# KiCad board FrontEnd_5G.kicad_pcb (continued)
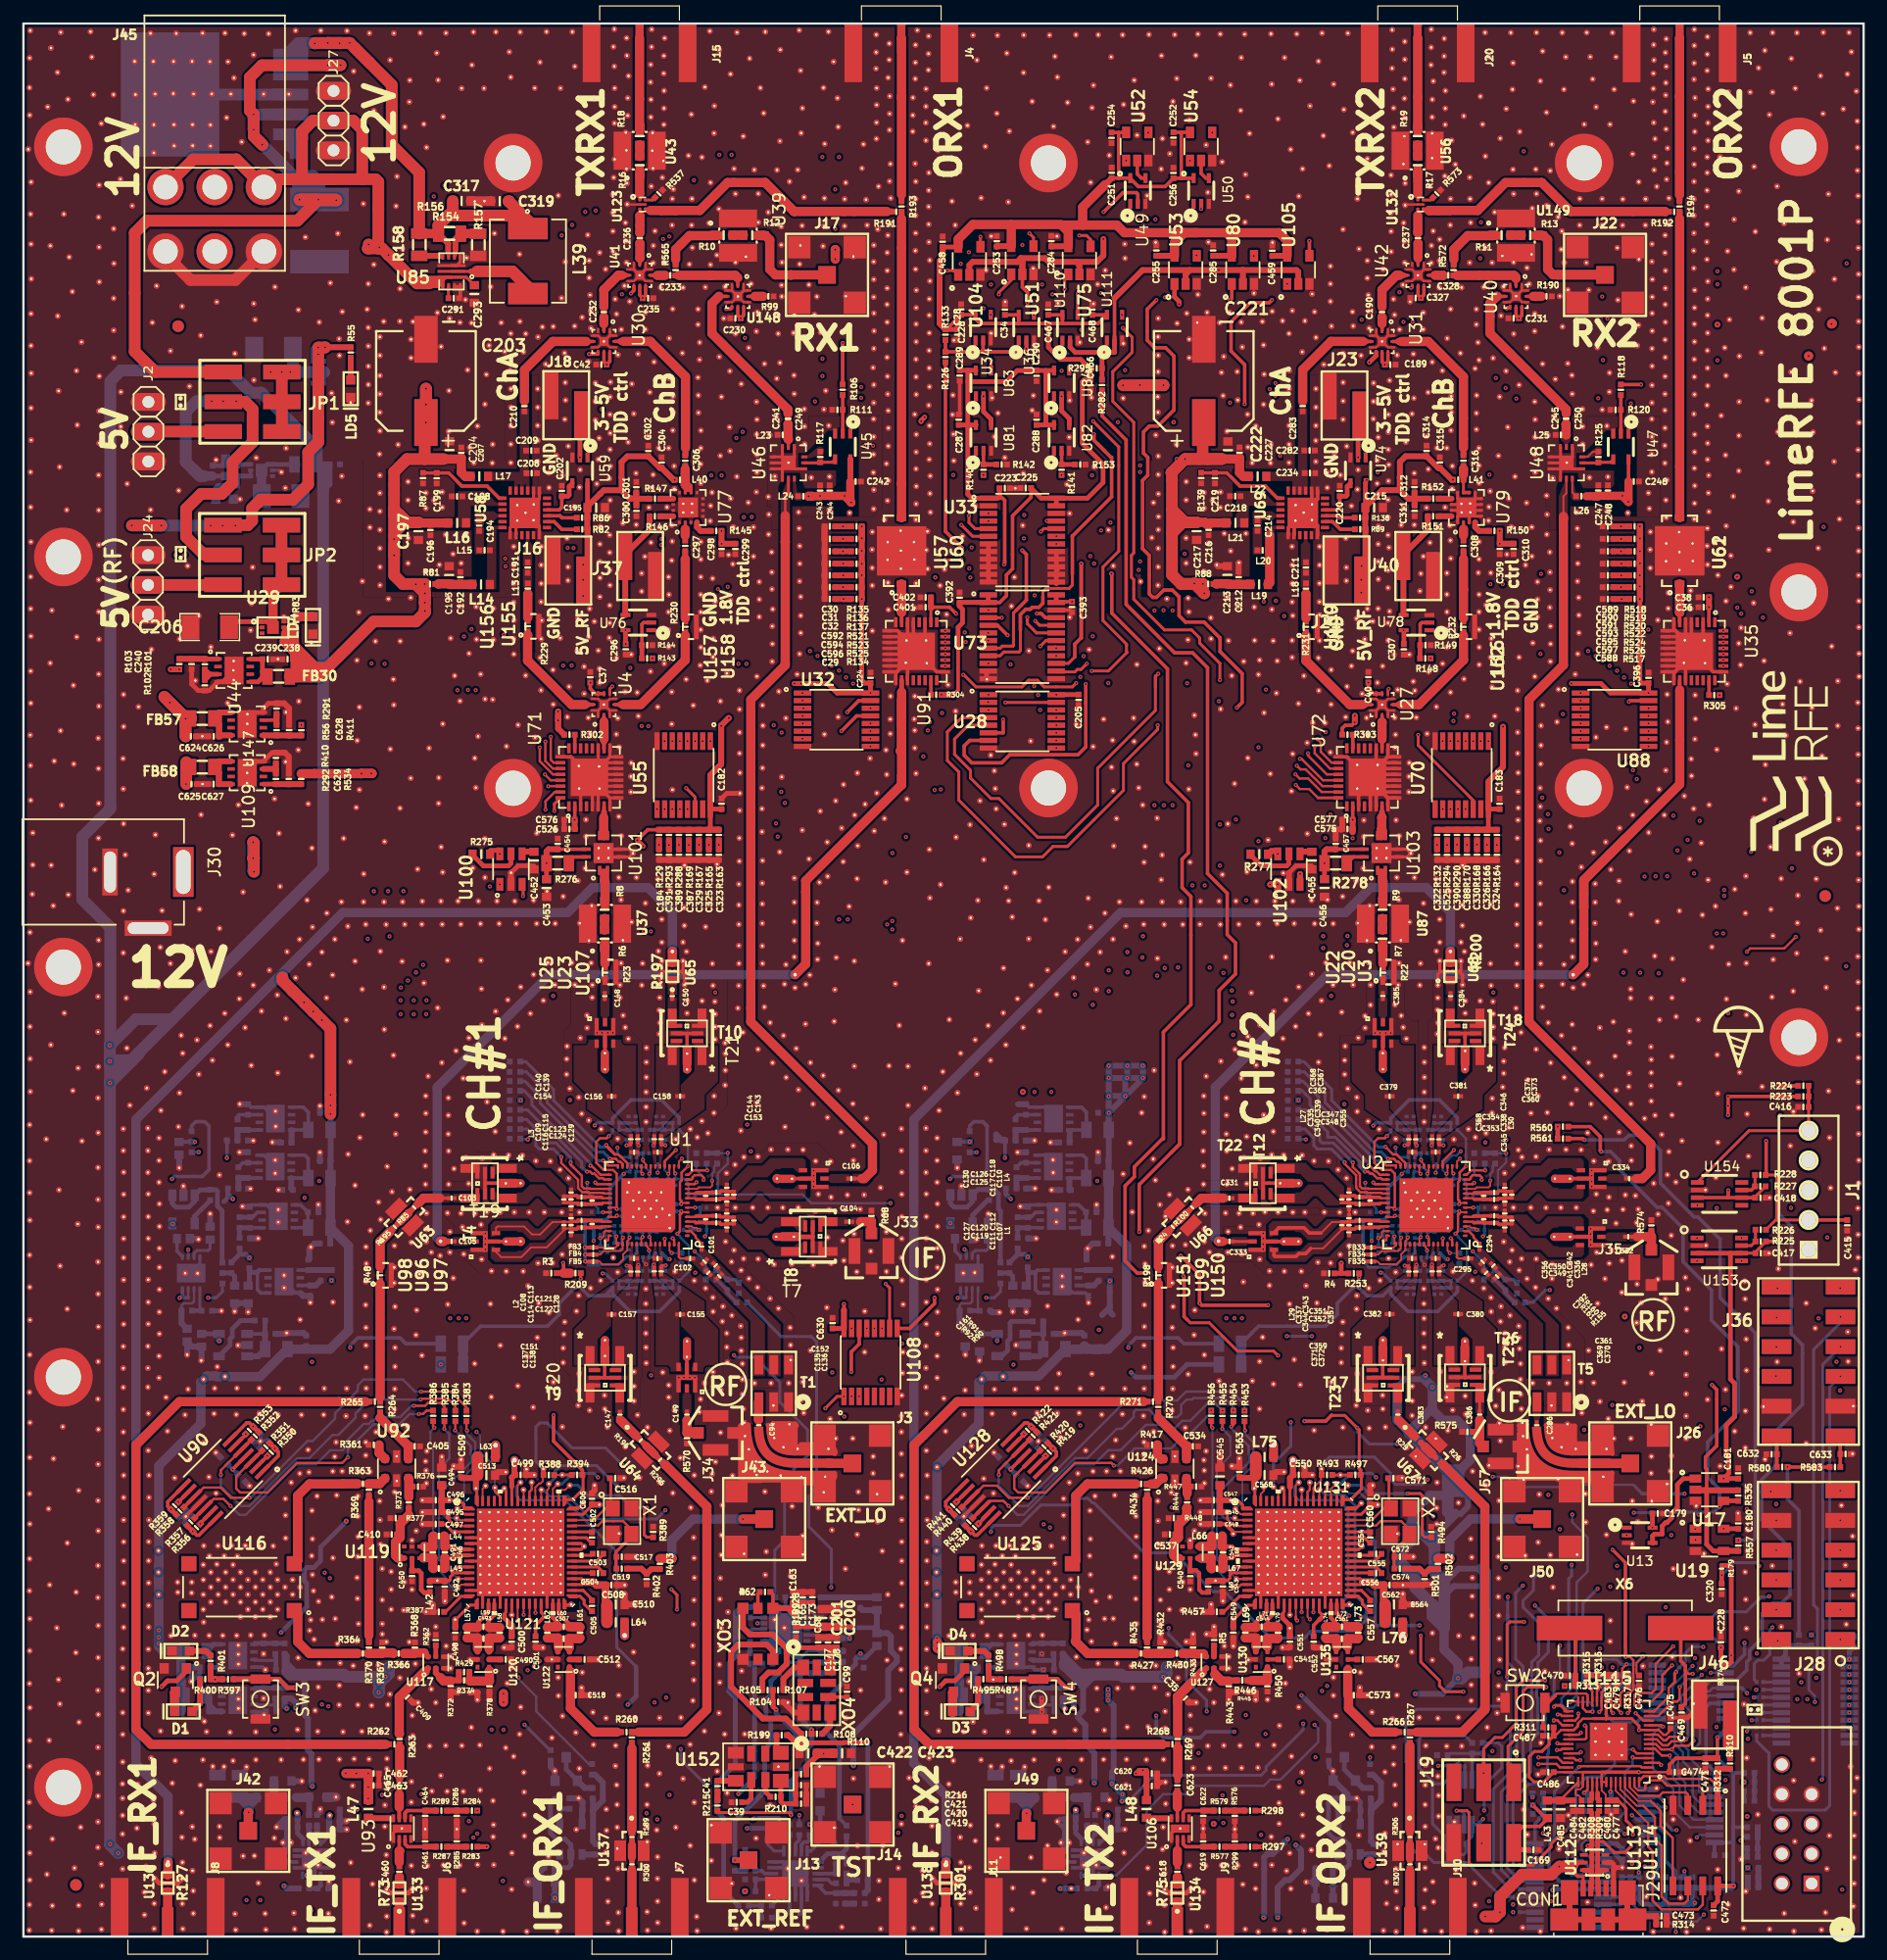
[diagram p0: board, top side]
## Nets (continued)
VBUS_USB: C71.1 CON1.1 FB16.1 J29.1 J29.2 U112.5
VDD_TXA_#1: C15.1 R94.2 U1.6
VDD_TXA_#2: C269.1 R183.2 U2.6
VDD_TXB_#1: C17.1 R95.2 U1.8
VDD_TXB_#2: C271.1 R184.2 U2.8
VDD_TXC_#1: C24.1 R96.2 U1.36
VDD_TXC_#2: C278.1 R185.2 U2.36
VDD_TXD_#1: C26.1 R97.2 U1.38
VDD_TXD_#2: C280.1 R186.2 U2.38
/Clocks/CLK_TST_#1: C170.2 R119.2
/Clocks/EX1_#1: C101.1 C161.1 R91.1
/Clocks/EX1_#2: C292.1 C294.1 R160.1
/Clocks/EX2_#1: C102.1 C161.2 R92.1
/Clocks/EX2_#2: C292.2 C295.1 R161.1
/Clocks/EX3_#1: R90.1 R91.2 T1.5
/Clocks/EX3_#2: R155.1 R160.2 T5.5
/Clocks/EX4_#1: R90.2 R92.2 T1.4
/Clocks/EX4_#2: R155.2 R161.2 T5.4
/Clocks/EX5_#1: C94.2 T1.3
/Clocks/EX5_#2: C286.2 T5.3
/Clocks/EXT_LO_CON_#1: C94.1 J3.1
/Clocks/EXT_LO_CON_#2: C286.1 J26.1
/Clocks/EXTLO_N_#1: C102.2 U1.56
/Clocks/EXTLO_N_#2: C295.2 U2.56
/Clocks/EXTLO_P_#1: C101.2 U1.2
/Clocks/EXTLO_P_#2: C294.2 U2.2
/Clocks/HFPLL_CLK_#1: C172.1 R122.1
/Clocks/HFPLL_CLK_#2: C313.1 R554.1
/Clocks/HFPLL_CLK_LMS8_#1: C171.2 U1.53
/Clocks/HFPLL_CLK_LMS8_#2: C303.2 U2.53
/Clocks/J14_SMA_vert_#1: C170.1 J14.1 R123.1
/Clocks/REF_ADF_#1: C89.1 R121.1
/Clocks/SMA_IN1_#1: C84.1 J13.1 R80.2
/Clocks/V_CTRL_#1: C69.1 R63.2 R104.2 R105.1 R107.1 R199.2
/Clocks/VCXO_OUT_#1: C100.2 R80.1 R108.2 R110.2 R215.2
/Clocks/VCXO_PWR_FILTER_#1: C160.1 C200.1 C201.1 C422.1 C423.1 FB29.2 R109.2 R115.2 R116.2 R128.1 R216.2
/DATA1: U12.9 U108.14
/DATA2: U28.14 U108.9
/DATAX: U70.9
/LMS8001_RF/BP_AMP1_3V3: R283.2 U108.15
/LMS8001_RF/BP_AMP2_3V3: R297.2 U108.2
/LMS8001_RF/IN_A1_#1: C104.2 T7.1 T8.4
/LMS8001_RF/IN_A1_#2: C332.2 T16.2
/LMS8001_RF/IN_A2_#1: C107.1 C111.2 C119.1 L1.2 T7.4 T8.1
/LMS8001_RF/IN_A2_#2: C336.1 C341.2 C349.1 L28.2 T16.4
/LMS8001_RF/IN_A3_#1: C107.2 C112.1 C120.1 L1.1 T7.3 T8.3
/LMS8001_RF/IN_A3_#2: C336.2 C342.1 C350.1 L28.1 T16.6
/LMS8001_RF/IN_B1_#1: C106.2 T3.2
/LMS8001_RF/IN_B1_#2: C334.2 T14.2
/LMS8001_RF/IN_B2_#1: C110.1 C117.2 C125.1 L4.2 T3.4
/LMS8001_RF/IN_B2_#2: C338.1 C345.2 C353.1 L30.2 T14.4
/LMS8001_RF/IN_B3_#1: C110.2 C118.1 C126.1 L4.1 T3.6
/LMS8001_RF/IN_B3_#2: C338.2 C346.1 C354.1 L30.1 T14.6
/LMS8001_RF/IN_C1_#1: C103.2 T4.4 T19.1
/LMS8001_RF/IN_C1_#2: C331.2 T12.4 T22.1
/LMS8001_RF/IN_C2_#1: C109.1 C115.2 C123.1 L3.2 T4.1 T19.4
/LMS8001_RF/IN_C2_#2: C335.1 C339.2 C347.1 L27.2 T12.1 T22.4
/LMS8001_RF/IN_C3_#1: C109.2 C116.1 C124.1 L3.1 T4.3 T19.3
/LMS8001_RF/IN_C3_#2: C335.2 C340.1 C348.1 L27.1 T12.3 T22.3
/LMS8001_RF/IN_D1_#1: C105.2 T2.2
/LMS8001_RF/IN_D1_#2: C333.2 T13.2
/LMS8001_RF/IN_D2_#1: C108.1 C113.2 C121.1 L2.2 T2.4
/LMS8001_RF/IN_D2_#2: C337.1 C343.2 C351.1 L29.2 T13.4
/LMS8001_RF/IN_D3_#1: C108.2 C114.1 C122.1 L2.1 T2.6
/LMS8001_RF/IN_D3_#2: C337.2 C344.1 C352.1 L29.1 T13.6
/LMS8001_RF/OUT_A1_#1: C149.1 T11.2
/LMS8001_RF/OUT_A1_#2: C386.1 T25.1 T26.4
/LMS8001_RF/OUT_A2_#1: C135.2 C155.1 T11.4
/LMS8001_RF/OUT_A2_#2: C369.2 C380.1 T25.4 T26.1
/LMS8001_RF/OUT_A3_#1: C136.2 C155.2 T11.6
/LMS8001_RF/OUT_A3_#2: C370.2 C380.2 T25.3 T26.3
/LMS8001_RF/OUT_A4_#1: C135.1 C152.1 L7.2 U1.51
/LMS8001_RF/OUT_A4_#2: C361.1 C369.1 L31.2 U2.51
/LMS8001_RF/OUT_A5_#1: C136.1 C152.2 L11.2 U1.52
/LMS8001_RF/OUT_A5_#2: C361.2 C370.1 L35.2 U2.52
/LMS8001_RF/OUT_B1_#1: C150.1 T10.4 T21.1
/LMS8001_RF/OUT_B1_#2: C384.1 T18.4 T24.1
/LMS8001_RF/OUT_B2_#1: C143.2 C158.1 T10.1 T21.4
/LMS8001_RF/OUT_B2_#2: C373.2 C381.1 T18.1 T24.4
/LMS8001_RF/OUT_B3_#1: C144.2 C158.2 T10.3 T21.3
/LMS8001_RF/OUT_B3_#2: C374.2 C381.2 T18.3 T24.3
/LMS8001_RF/OUT_B4_#1: C143.1 C153.1 L5.2 U1.19
/LMS8001_RF/OUT_B4_#2: C360.1 C373.1 L32.2 U2.19
/LMS8001_RF/OUT_B5_#1: C144.1 C153.2 L9.2 U1.20
/LMS8001_RF/OUT_B5_#2: C360.2 C374.1 L36.2 U2.20
/LMS8001_RF/OUT_C1_#1: C148.1 T6.2
/LMS8001_RF/OUT_C1_#2: C385.1 T15.2
/LMS8001_RF/OUT_C2_#1: C139.2 C156.1 T6.4
/LMS8001_RF/OUT_C2_#2: C367.2 C379.1 T15.4
/LMS8001_RF/OUT_C3_#1: C140.2 C156.2 T6.6
/LMS8001_RF/OUT_C3_#2: C368.2 C379.2 T15.6
/LMS8001_RF/OUT_C4_#1: C139.1 C154.1 L6.2 U1.24
/LMS8001_RF/OUT_C4_#2: C362.1 C367.1 L33.2 U2.24
/LMS8001_RF/OUT_C5_#1: C140.1 C154.2 L10.2 U1.25
/LMS8001_RF/OUT_C5_#2: C362.2 C368.1 L37.2 U2.25
/LMS8001_RF/OUT_D1_#1: C147.1 T9.4 T20.1
/LMS8001_RF/OUT_D1_#2: C383.1 T17.4 T23.1
/LMS8001_RF/OUT_D2_#1: C137.2 C157.1 T9.1 T20.4
/LMS8001_RF/OUT_D2_#2: C371.2 C382.1 T17.1 T23.4
/LMS8001_RF/OUT_D3_#1: C138.2 C157.2 T9.3 T20.3
/LMS8001_RF/OUT_D3_#2: C372.2 C382.2 T17.3 T23.3
/LMS8001_RF/OUT_D4_#1: C137.1 C151.1 L8.2 U1.46
/LMS8001_RF/OUT_D4_#2: C359.1 C371.1 L34.2 U2.46
/LMS8001_RF/OUT_D5_#1: C138.1 C151.2 L12.2 U1.47
/LMS8001_RF/OUT_D5_#2: C359.2 C372.1 L38.2 U2.47
/LMS8001_RF/SD_AMP1_3V3: R284.2 U108.1
/LMS8001_RF/SD_AMP2_3V3: R298.2 U108.3
/LMS8001_RF/sheet6298A0DD/RF_IN: C618.2 R75.1 U134.3
/LMS8001_RF/sheet6298A0DD/RF_OUT: C623.1 R268.1 R269.2
/LMS8001_RF/sheet62981941/RF_IN: C460.2 R73.1 U133.3
/LMS8001_RF/sheet62981941/RF_OUT: C465.1 R262.1 R263.2
/LMS98001_GPIO/CORE_LDO_EN_#1: R3.2 R209.1 U1.55
/LMS98001_GPIO/CORE_LDO_EN_#2: R4.2 R253.1 U2.55
/LMS98001_GPIO/GPIO0_#1: R250.1
/LMS98001_GPIO/GPIO0_#2: R281.1
/LMS98001_GPIO/GPIO1_#1: R249.1
/LMS98001_GPIO/GPIO1_#2: R280.1
/LMS98001_GPIO/GPIO2_#1: R248.1
/LMS98001_GPIO/GPIO2_#2: R279.1
/LMS98001_GPIO/GPIO3_#1: R247.1
/LMS98001_GPIO/GPIO3_#2: R274.1
/LMS98001_GPIO/GPIO4_#1: R245.1
/LMS98001_GPIO/GPIO4_#2: R273.1
/LMS98001_GPIO/GPIO5_#1: R244.1
/LMS98001_GPIO/GPIO5_#2: R272.1
/LMS98001_GPIO/GPIO6_#1: R214.1
/LMS98001_GPIO/GPIO6_#2: R258.1
/LMS98001_GPIO/GPIO7_#1: R213.1
/LMS98001_GPIO/GPIO7_#2: R257.1
/LMS98001_GPIO/GPIO8_#1: R212.1
/LMS98001_GPIO/GPIO8_#2: R256.1
/LMS98001_GPIO/LMS_GPIO0_#1: R250.2 U1.26
/LMS98001_GPIO/LMS_GPIO0_#2: R281.2 U2.26
/LMS98001_GPIO/LMS_GPIO1_#1: R249.2 U1.27
/LMS98001_GPIO/LMS_GPIO1_#2: R280.2 U2.27
/LMS98001_GPIO/LMS_GPIO2_#1: R248.2 U1.29
/LMS98001_GPIO/LMS_GPIO2_#2: R279.2 U2.29
/LMS98001_GPIO/LMS_GPIO3_#1: R247.2 U1.28
/LMS98001_GPIO/LMS_GPIO3_#2: R274.2 U2.28
/LMS98001_GPIO/LMS_GPIO4_#1: R245.2 U1.31
/LMS98001_GPIO/LMS_GPIO4_#2: R273.2 U2.31
/LMS98001_GPIO/LMS_GPIO5_#1: R244.2 U1.30
/LMS98001_GPIO/LMS_GPIO5_#2: R272.2 U2.30
/LMS98001_GPIO/LMS_GPIO6_#1: R214.2 U1.32
/LMS98001_GPIO/LMS_GPIO6_#2: R258.2 U2.32
/LMS98001_GPIO/LMS_GPIO7_#1: R213.2 U1.33
/LMS98001_GPIO/LMS_GPIO7_#2: R257.2 U2.33
/LMS98001_GPIO/LMS_GPIO8_#1: R212.2 U1.15
/LMS98001_GPIO/LMS_GPIO8_#2: R256.2 U2.15
/RF/DA1_A/RF_in: L13.2 R229.1 U155.2 U156.2
/RF/DA1_A/RF_out: C210.2 U30.5
/RF/DA1_A/z5: C194.2 L15.2
/RF/DA1_A\da1_b_CTRL_3V3: R140.1 U32.15
/RF/DA1_A_EN_3V3: U28.15 U51.1
/RF/DA1_A_ON\off_3V3: U51.4 U73.5
/RF/DA1_A_ON\off_5V: J18.2 U59.2 U73.19
/RF/DA1_A_SEL: U4.7 U83.4
/RF/DA1_A_SELn: U30.7 U81.4 U83.2
/RF/DA1_ATT_D0_3V3: C323.2 R163.1 U55.1 U71.32
/RF/DA1_ATT_D1_3V3: C325.2 R165.1 U55.2 U71.31
/RF/DA1_ATT_D2_3V3: C329.2 R167.1 U55.3 U71.30
/RF/DA1_ATT_D3_3V3: C387.2 R169.1 U55.4 U71.29
/RF/DA1_ATT_D4_3V3: C389.2 R288.1 U55.5 U71.28
/RF/DA1_ATT_D5_3V3: C391.2 R293.1 U55.6 U71.27
/RF/DA1_ATT_D6_3V3: C184.2 R129.1 U55.7 U71.26
/RF/DA1_B/RF_IN: C297.2 R230.2 U157.2 U158.2
/RF/DA1_B/RF_OUT: C306.1 U30.11
/RF/DA1_B_EN_3V3: U28.1 U75.1
/RF/DA1_B_ON\off_3V3: U73.6 U75.4
/RF/DA1_B_ON\off_5V: R143.2 U73.18
/RF/DA1_CPL_OUT: R191.2 U123.4
/RF/DA2_A/RF_in: L18.2 R231.1 U159.2 U160.2
/RF/DA2_A/RF_out: C283.2 U31.5
/RF/DA2_A/z5: C214.2 L20.2
/RF/DA2_A\da2_b_CTRL_3V3: R141.1 U88.15
/RF/DA2_A_EN_3V3: U28.2 U53.1
/RF/DA2_A_ON\off_3V3: U53.4 U73.7
/RF/DA2_A_ON\off_5V: J23.2 U73.17 U74.2
/RF/DA2_A_SEL: U27.7 U84.4
/RF/DA2_A_SELn: U31.7 U82.4 U84.2
/RF/DA2_ATT_D0_3V3: C324.2 R164.1 U70.1 U72.32
/RF/DA2_ATT_D1_3V3: C326.2 R166.1 U70.2 U72.31
/RF/DA2_ATT_D2_3V3: C330.2 R168.1 U70.3 U72.30
/RF/DA2_ATT_D3_3V3: C388.2 R170.1 U70.4 U72.29
/RF/DA2_ATT_D4_3V3: C390.2 R290.1 U70.5 U72.28
/RF/DA2_ATT_D5_3V3: C525.2 R294.1 U70.6 U72.27
/RF/DA2_ATT_D6_3V3: C322.2 R132.1 U70.7 U72.26
/RF/DA2_B/RF_IN: C308.2 R232.2 U161.2 U162.2
/RF/DA2_B/RF_OUT: C316.1 U31.11
/RF/DA2_B_EN_3V3: U28.3 U80.1
/RF/DA2_B_ON\off_3V3: U73.8 U80.4
/RF/DA2_B_ON\off_5V: R148.2 U73.16
/RF/DA2_CPL_OUT: R192.2 U132.4
/RF/LNA1/RF_in: C241.1 C249.2 U39.5
/RF/LNA1_EN_3V3: U28.4 U52.1
/RF/LNA1_ON\off_3V3: U52.4 U73.9
/RF/LNA1_ON\off_5V: R106.1 U73.15
/RF/LNA2/RF_in: C245.1 C250.2 U40.5
/RF/LNA2_EN_3V3: U28.5 U54.1
/RF/LNA2_ON\off_3V3: U54.4 U73.10
/RF/LNA2_ON\off_5V: R118.1 U73.14
/RF/ORX1_ATT_D0_3V3: C30.2 R135.1 U32.1 U91.32
/RF/ORX1_ATT_D1_3V3: C31.2 R136.1 U32.2 U91.31
/RF/ORX1_ATT_D2_3V3: C32.2 R137.1 U32.3 U91.30
/RF/ORX1_ATT_D3_3V3: C592.2 R521.1 U32.4 U91.29
/RF/ORX1_ATT_D4_3V3: C594.2 R523.1 U32.5 U91.28
/RF/ORX1_ATT_D5_3V3: C596.2 R525.1 U32.6 U91.27
/RF/ORX1_ATT_D6_3V3: C29.2 R134.1 U32.7 U91.26
/RF/ORX2_ATT_D0_3V3: C589.2 R518.1 U35.32 U88.1
/RF/ORX2_ATT_D1_3V3: C590.2 R519.1 U35.31 U88.2
/RF/ORX2_ATT_D2_3V3: C591.2 R520.1 U35.30 U88.3
/RF/ORX2_ATT_D3_3V3: C593.2 R522.1 U35.29 U88.4
/RF/ORX2_ATT_D4_3V3: C595.2 R524.1 U35.28 U88.5
/RF/ORX2_ATT_D5_3V3: C597.2 R526.1 U35.27 U88.6
/RF/ORX2_ATT_D6_3V3: C588.2 R517.1 U35.26 U88.7
/RF/PDA1/RF_IN: R8.1 U37.3 U101.1 U101.2
/RF/PDA1/RF_OUT: U71.7 U101.5 U101.6
/RF/PDA1_EN_3V3: U28.6 U104.1
/RF/PDA1_ON\off_3V3: U73.3 U104.4
/RF/PDA1_ON\off_5V: U73.21 U100.3
/RF/PDA2/RF_IN: R9.1 U87.3 U103.1 U103.2
/RF/PDA2/RF_OUT: U72.7 U103.5 U103.6
/RF/PDA2_EN_3V3: U28.7 U105.1
/RF/PDA2_ON\off_3V3: U73.4 U105.4
/RF/PDA2_ON\off_5V: U73.20 U102.3
/RF/RX_ISOL_1_1V8: U33.3 U39.7
/RF/RX_ISOL_1_3V3: U33.21 U36.4
/RF/RX_ISOL_2_1V8: U33.5 U40.7
/RF/RX_ISOL_2_3V3: U33.19 U111.4
/RF/TX\rx_1: R126.1 R133.1 U34.2 U36.2 U49.2 U51.2 U75.2 U104.2
/RF/TX\rx_2: R282.1 R295.1 U50.2 U53.2 U80.2 U105.2 U110.2 U111.2
/RF/tx_RX_1_1V8: U33.4 U41.7
/RF/tx_RX_1_3V3: U33.20 U34.4
/RF/tx_RX_2_1V8: U33.6 U42.7
/RF/tx_RX_2_3V3: U33.18 U110.4
/RP2040_MCU/DATA: U11.14 U115.11
/RP2040_MCU/MCU_GPIO0: U24.6 U115.2
/RP2040_MCU/MCU_GPIO1: U24.7 U115.3
/RP2040_MCU/MCU_GPIO2: U24.5 U115.4
/RP2040_MCU/MCU_GPIO3: U115.5 U163.2
/RP2040_MCU/MCU_GPIO9: U115.12 U154.4
/RP2040_MCU/MCU_GPIO10: U115.13 U153.4
/RP2040_MCU/MCU_GPIO11: U115.14 U153.5
/RP2040_MCU/MCU_GPIO13: U38.3 U115.16
/RP2040_MCU/MCU_GPIO13_EXT: J36.1 R586.2
/RP2040_MCU/MCU_GPIO18: R177.1 U115.29
/RP2040_MCU/MCU_GPIO18_EXT: J28.9 R203.2
/RP2040_MCU/MCU_GPIO19: R178.1 U115.30
/RP2040_MCU/MCU_GPIO19_EXT: J28.10 R204.2
/RP2040_MCU/MCU_GPIO20: U38.2 U115.31
/RP2040_MCU/MCU_GPIO23: U38.4 U115.35
/RP2040_MCU/MCU_GPIO23_EXT: J36.2 R587.2
/RP2040_MCU/MCU_GPIO24: U38.5 U115.36
/RP2040_MCU/MCU_GPIO24_EXT: J36.3 R588.2
/RP2040_MCU/MCU_GPIO25: U38.6 U115.37
/RP2040_MCU/MCU_GPIO25_EXT: J36.4 R589.2
/RP2040_MCU/MCU_GPIO26: U38.7 U115.38
/RP2040_MCU/MCU_GPIO26_EXT: J36.7 R590.2
/RP2040_MCU/MCU_GPIO27: U38.8 U115.39
/RP2040_MCU/MCU_GPIO27_EXT: J36.8 R591.2
/RP2040_MCU/MCU_GPIO28: U38.9 U115.40
/RP2040_MCU/MCU_GPIO28_EXT: J36.9 R592.2
/RP2040_MCU/MCU_GPIO29: U38.10 U115.41
/RP2040_MCU/MCU_GPIO29_EXT: J36.10 R593.2
/RP2040_MCU/MISO_1_EXT: J28.3 R187.2
/RP2040_MCU/MOSI_1_EXT: J28.2 R188.2
/RP2040_MCU/QSPI_CSn: R310.1 R312.2 U113.1 U114.1 U115.56
/RP2040_MCU/QSPI_SCK: U113.6 U114.6 U115.52
/RP2040_MCU/QSPI_SD0: U113.5 U114.5 U115.53
/RP2040_MCU/QSPI_SD1: U113.2 U114.2 U115.55
/RP2040_MCU/QSPI_SD2: U113.3 U114.3 U115.54
/RP2040_MCU/QSPI_SD3: U113.7 U114.7 U115.51
/RP2040_MCU/RESET: J19.5
/RP2040_MCU/RESETn: R311.2 SW2.2 U115.26
/RP2040_MCU/RPI_BTN2_EXT: C416.1 J1.5 R223.1 R224.1 U154.1
/RP2040_MCU/RPI_ID_SC_EXT: J1.3 U153.8
/RP2040_MCU/RPI_ID_SD_EXT: J1.4 U153.1
/RP2040_MCU/SCLK_1_EXT: J28.4 R182.2
/RP2040_MCU/SPI_2_MCU_DIR_OUT_in: R49.2 U11.15 U13.2 U19.1
/RP2040_MCU/SS_1_EXT: J28.1 R202.2
/RP2040_MCU/SWCLK: R316.1 U115.24
/RP2040_MCU/SWDIO: R315.1 U115.25
/RP2040_MCU/TX/rx_1_EXT: J28.7 R180.2
/RP2040_MCU/TX/rx_2_EXT: J28.8 R181.2
/RP2040_MCU/USB_BOOTn: J46.1 R310.2
/RP2040_MCU/USB_DM: R308.2 U115.46
/RP2040_MCU/USB_DM1: CON1.2 J29.3 J29.4 R308.1 U112.6
/RP2040_MCU/USB_DP: R309.2 U115.47
/RP2040_MCU/USB_DP1: CON1.3 J29.5 J29.6 R309.1 U112.1
/RP2040_MCU/VREG_OUT_1V1: C478.2 C481.2 C483.2 U115.23 U115.45 U115.50
/RP2040_MCU/XIN: C469.1 U115.20 X6.1
/RP2040_MCU/XOUT: R313.1 U115.21
/SC1905_1/ADCIN0N(P7): R381.1 U121.25
/SC1905_1/ADCIN0P(P6): R382.1 U121.24
/SC1905_1/ADCIN1N(P10): IC1.11 IC1.12 U121.27
/SC1905_1/ADCIN1P(P9): R391.2 U121.26
/SC1905_1/DGPIN0(P15): Ref**#293. U121.63
/SC1905_1/DGPIN1(P17): Ref**#295. U121.56
/SC1905_1/EXTCLKIN(P20): C519.1 R402.2 R403.2
/SC1905_1/MGPO0(P34): R358.1 R383.2 U90.10
/SC1905_1/MGPO1(P35): R352.1 R384.2 U90.5
/SC1905_1/MGPO2(P37): R357.1 R385.2 U90.12
/SC1905_1/MGPO3(P38): R351.1 R386.2 U90.3
/SC1905_1/STATO: Q2.1 Ref**#296. U121.57
/SC1905_1/VG0: C404.2 R358.2 R359.2 U90.8
/SC1905_1/VG1: C400.2 R352.2 R353.2 U90.7
/SC1905_1/VG2: C403.2 R356.2 R357.2 U90.14
/SC1905_1/VG3: C399.2 R350.2 R351.2 U90.1
/SC1905_1/WDTENB: R389.1 Ref**#304. U121.50
/SC1905_2/ADCIN0N(P7): R451.1 U131.25
/SC1905_2/ADCIN0P(P6): R452.1 U131.24
/SC1905_2/ADCIN1N(P10): IC2.11 IC2.12 U131.27
/SC1905_2/ADCIN1P(P9): R459.2 U131.26
/SC1905_2/DGPIN0(P15): Ref**#318. U131.63
/SC1905_2/DGPIN1(P17): Ref**#325. U131.56
/SC1905_2/EXTCLKIN(P20): C574.1 R501.2 R502.2
/SC1905_2/MGPO0(P34): R440.1 R453.2 U128.10
/SC1905_2/MGPO1(P35): R421.1 R454.2 U128.5
/SC1905_2/MGPO2(P37): R439.1 R455.2 U128.12
/SC1905_2/MGPO3(P38): R420.1 R456.2 U128.3
/SC1905_2/STATO: Q4.1 Ref**#324. U131.57
/SC1905_2/VG0: C539.2 R440.2 R441.2 U128.8
/SC1905_2/VG1: C532.2 R421.2 R422.2 U128.7
/SC1905_2/VG2: C538.2 R438.2 R439.2 U128.14
/SC1905_2/VG3: C531.2 R419.2 R420.2 U128.1
/SC1905_2/WDTENB: R494.1 Ref**#331. U131.50
DATA_OUT_EN: U11.12 U12.12 U28.12 U32.12 U55.12 U70.12 U88.12 U108.12 U115.7
DATA_OUT_RSTn: R59.2 U11.13 U12.13 U28.13 U32.13 U55.13 U70.13 U88.13 U108.13 U115.6
DATA_SER_CLK: U11.11 U12.11 U28.11 U32.11 U55.11 U70.11 U88.11 U108.11 U115.8
DATA_SER_RSTn: R64.2 U11.10 U12.10 U28.10 U32.10 U55.10 U70.10 U88.10 U108.10 U115.9
EXT_PLL_SSENn: C96.1 C98.1 R71.1 R78.2 U11.3
g_TX\rx_1: R126.2 R173.2 R175.1 U115.32
g_TX\rx_2: R173.1 R176.1 R282.2 U115.34
IF_IN_A_#1: C104.1 J33.1 R68.2
IF_IN_C_#1: R48.2 R195.2 U63.1 U96.2 U97.2 U98.2
IF_IN_C_#2: R24.2 R198.2 U66.1 U99.2 U150.2 U151.2
IF_OUT_A_#2: C386.2 J57.1 R575.2
IF_OUT_B_#1: R127.2 R197.1 Ref**#1418. Ref**#1629. U65.3 U136.1
IF_OUT_B_#2: R200.1 R301.2 Ref**#1049. Ref**#1070. U68.3 U138.1
IF_OUT_D_#1: R260.1 R261.2 R296.1 U64.3
IF_OUT_D_#2: R26.1 R266.1 R267.2 U67.3
LMS8001_#1_RESETn: U1.18 U11.4
LMS8001_#1_SSENn: C47.1 C48.1 R58.1 R211.1 U1.11 U11.1
LMS8001_#2_RESETn: U2.18 U11.5
LMS8001_#2_SSENn: C56.1 C83.1 R61.1 R255.1 U2.11 U11.2
MISO_2: J19.1 R388.1 R493.1 R535.1 R560.1 Ref**#300. Ref**#335. U17.4 U115.15 U121.54 U131.54
MOSI_2: J19.4 R557.1 R561.1 Ref**#301. Ref**#328. U19.2 U115.18 U121.53 U131.53
RF_IN_A_#2: C332.1 J35.1 R574.2
RF_IN_B_#1: C106.1 U46.8
RF_IN_B_#2: C334.1 U48.8
RF_IN_D_#1: C105.1 Ref**#2133. Ref**#2142. U91.18
RF_IN_D_#2: C333.1 Ref**#2284. Ref**#2291. U35.18
RF_OUT_A_#1: C149.2 J34.1 R570.1
RF_OUT_C_#1: C148.2 R23.1 U23.1 U25.1 U107.1
RF_OUT_C_#2: C385.2 R22.1 U3.1 U20.1 U22.1
SC1905_#1_LOADENB: Ref**#294. U115.27 U121.60
SC1905_#1_RESETn: C602.1 C603.1 R394.1 R397.1 R407.1 SW3.2 U12.1 U121.49
SC1905_#1_SSENn: Ref**#302. U11.6 U121.52
SC1905_#2_LOADENB: Ref**#320. U115.28 U131.60
SC1905_#2_RESETn: C604.1 C605.1 R408.1 R487.1 R497.1 SW4.2 U12.2 U131.49
SC1905_#2_SSENn: Ref**#329. U11.7 U131.52
SC1905_FB_#1: C518.2 R260.2 U122.1
SC1905_FB_#2: C573.2 R266.2 U135.1
SC1905_IN_#1: C409.2 R263.1 U117.1
SC1905_IN_#2: C35.2 R269.1 U127.1
SC1905_OUT_#1: C405.2 R264.2 U92.4
SC1905_OUT_#2: C534.2 R270.2 U124.4
SCLK_2: J19.3 R76.2 R208.2 R252.2 Ref**#303. Ref**#330. U1.13 U2.13 U115.17 U121.51 U131.51
SDIO_2: R77.2 R535.2 R557.2 U1.12 U2.12 U17.2 U19.4
SDO_2: R207.1 R251.1 R560.2 R561.2 U1.14 U2.14
Vdio: C28.2 C34.2 C37.2 C40.2 C42.2 C91.1 C92.1 C169.1 C179.1 C180.1 C181.1 C182.1 C183.1 C189.2 C205.1 C224.1 C225.1 C226.2 C229.1 C230.2 C231.2 C235.2 C251.2 C252.2 C253.2 C254.2 C255.2 C256.2 C284.2 C285.2 C327.2 C392.1 C396.1 C417.1 C418.1 C424.1 C458.2 C459.2 C466.2 C467.2 C468.2 C471.1 C472.1 C474.1 C475.1 C476.1 C477.1 C479.2 C480.1 C482.1 C486.1 C487.1 C630.1 C631.1 J19.2 L43.1 R58.2 R60.2 R61.2 R71.2 R84.2 R129.2 R132.2 R133.2 R134.2 R135.2 R136.2 R137.2 R163.2 R164.2 R165.2 R166.2 R167.2 R168.2 R169.2 R170.2 R205.1 R217.1 R223.2 R225.1 R227.1 R288.2 R290.2 R293.2 R294.2 R295.2 R302.1 R303.1 R304.1 R305.1 R311.1 R312.1 R315.2 R316.2 R407.2 R408.2 R411.2 R517.2 R518.2 R519.2 R520.2 R521.2 R522.2 R523.2 R524.2 R525.2 R526.2 R594.1 U4.8 U4.9 U11.16 U12.16 U13.5 U17.5 U19.5 U24.1 U27.8 U27.9 U28.16 U30.8 U30.9 U31.8 U31.9 U32.16 U33.23 U33.24 U34.5 U36.5 U38.1 U39.8 U39.9 U40.8 U40.9 U41.8 U41.9 U42.8 U42.9 U49.5 U50.5 U51.5 U52.5 U53.5 U54.5 U55.16 U70.16 U73.1 U73.2 U75.5 U80.5 U88.16 U104.5 U105.5 U108.16 U110.5 U111.5 U113.8 U114.8 U115.1 U115.10 U115.22 U115.33 U115.42 U115.44 U115.48 U115.49 U153.3 U153.6 U154.3 U154.6 U163.1 U163.5
Net-(C1-Pad1): C1.1 FB1.2 U1.41
Net-(C2-Pad1): C2.1 FB2.2 U1.42
Net-(C3-Pad1): C3.1 C4.1 FB5.2 U1.45
Net-(C5-Pad1): C5.1 C8.1 FB4.2 U1.44
Net-(C6-Pad1): C6.1 FB7.2 U1.3
Net-(C7-Pad1): C7.1 R1.1 U1.16
Net-(C9-Pad1): C9.1 FB6.2 U1.17
Net-(C10-Pad1): C10.1 C11.1 FB3.2 U1.43
Net-(C12-Pad1): C12.1 FB11.1 U1.7
Net-(C13-Pad1): C13.1 C14.1 FB10.1 U1.48
Net-(C16-Pad1): C16.1 C19.1 FB15.1 U1.23
Net-(C18-Pad1): C18.1 C20.1 FB9.1 U1.50
Net-(C21-Pad1): C21.1 FB12.1 U1.37
Net-(C22-Pad1): C22.1 C25.1 FB14.1 U1.21
Net-(C23-Pad1): C23.1 FB8.1 U1.49
Net-(C27-Pad1): C27.1 FB13.1 U1.22
Net-(C33-Pad1): C33.1 R37.1 R38.1 R425.1
Net-(C39-Pad1): C39.1 U152.7
Net-(C41-Pad1): C41.1 U152.6
Net-(C41-Pad2): C41.2 R215.1
Net-(C45-Pad1): C45.1 FB24.2 U94.5 U94.8
Net-(C46-Pad1): C46.1 R49.1 R57.2
Net-(C49-Pad1): C49.1 C50.1 R59.1 R60.1
Net-(C54-Pad1): C54.1 FB18.2 U5.5 U5.8
Net-(C55-Pad1): C55.1 FB19.2 U6.5 U6.8
Net-(C58-Pad1): C58.1 FB20.2 U7.5 U7.8
Net-(C59-Pad2): C59.2 R45.1 U10.6
Net-(C60-Pad1): C60.1 R29.1 R50.1 U8.1
Net-(C61-Pad1): C61.1 R31.1 R54.1 U7.1
Net-(C62-Pad1): C62.1 R33.1 R52.1 U5.1
Net-(C64-Pad1): C64.1 R35.1 R53.1 U6.1
Net-(C65-Pad1): C65.1 FB21.2 R14.2 U16.1 U16.3
Net-(C70-Pad1): C70.1 C72.1 R63.1 U18.20
Net-(C70-Pad2): C70.2 R65.1
Net-(C73-Pad2): C73.2 R66.2 U18.18
Net-(C74-Pad2): C74.2 FB22.2 R66.1 R69.1 R201.2 U18.16 U18.17
Net-(C75-Pad1): C75.1 FB22.1 U18.6 U18.7
Net-(C76-Pad1): C76.1 R76.1 U18.12
Net-(C77-Pad1): C77.1 R428.1 U8.5 U8.8
Net-(C78-Pad1): C78.1 FB16.2 U15.1
Net-(C79-Pad1): C79.1 C84.2 R74.2
Net-(C79-Pad2): C79.2 U18.8
Net-(C80-Pad1): C80.1 U18.4
Net-(C81-Pad1): C81.1 U10.1
Net-(C82-Pad2): C82.2 U10.3
Net-(C85-Pad1): C85.1 C89.2 R79.1
Net-(C85-Pad2): C85.2 U18.5
Net-(C93-Pad1): C93.1 FB31.2 U2.41
Net-(C95-Pad1): C95.1 FB32.2 U2.42
Net-(C99-Pad1): C99.1 XO4.7
Net-(C100-Pad1): C100.1 R112.2
Net-(C103-Pad1): C103.1 R85.1 U63.3
Net-(C119-Pad2): C119.2 C127.1 U1.4
Net-(C120-Pad2): C120.2 C127.2 U1.5
Net-(C121-Pad2): C121.2 C128.1 U1.39
Net-(C122-Pad2): C122.2 C128.2 U1.40
Net-(C123-Pad2): C123.2 C129.1 U1.34
Net-(C124-Pad2): C124.2 C129.2 U1.35
Net-(C125-Pad2): C125.2 C130.1 U1.9
Net-(C126-Pad2): C126.2 C130.2 U1.10
Net-(C131-Pad1): C131.1 C141.1 FB26.2 L5.1 L9.1 R95.1
Net-(C132-Pad1): C132.1 C142.1 FB27.2 L6.1 L10.1 R96.1
Net-(C133-Pad1): C133.1 C145.1 FB25.2 L7.1 L11.1 R94.1
Net-(C134-Pad1): C134.1 C146.1 FB28.2 L8.1 L12.1 R97.1
Net-(C147-Pad2): C147.2 R196.2 U64.1
Net-(C150-Pad2): C150.2 R197.2 U65.1
Net-(C162-Pad1): C162.1 U21.18
Net-(C162-Pad2): C162.2 R112.1 R113.1
Net-(C163-Pad1): C163.1 C165.2 C173.2 R62.1 R128.2 XO3.5
Net-(C167-Pad1): C97.1 C167.1 R64.1 R84.1
Net-(C171-Pad1): C67.1 C171.1 R42.1
Net-(C172-Pad2): C172.2 R42.2 R124.1
Net-(C177-Pad2): C68.1 C177.2 C178.2 R109.1 XO4.9
Net-(C187-Pad1): C187.1 FB17.2 U26.5 U26.8
Net-(C188-Pad1): C188.1 FB23.2 U89.5 U89.8
Net-(C190-Pad1): C190.1 U31.2
Net-(C190-Pad2): C190.2 U42.5
Net-(C191-Pad1): C191.1 L13.1
Net-(C191-Pad2): C191.2 U58.4
Net-(C192-Pad2): C192.2 C193.2 L14.1 R81.1
Net-(C194-Pad1): C194.1 U58.22
Net-(C198-Pad1): C198.1 L16.2 U58.20
Net-(C199-Pad2): C199.2 R87.2 U58.19
Net-(C202-Pad1): C202.1 U58.10 U59.4
Net-(C206-Pad1): C206.1 JP2.2 JP2.4 JP2.6 U29.1
Net-(C208-Pad1): C208.1 C209.1 C210.1 L17.2 U58.15 U58.16 U58.17
Net-(C211-Pad1): C211.1 L18.1
Net-(C211-Pad2): C211.2 U69.4
Net-(C212-Pad2): C212.2 C213.2 L19.1 R88.1
Net-(C214-Pad1): C214.1 U69.22
Net-(C218-Pad1): C218.1 L21.2 U69.20
Net-(C219-Pad2): C219.2 R139.2 U69.19
Net-(C220-Pad1): C220.1 U69.10 U74.4
Net-(C228-Pad1): C228.1 J28.6 R174.1
Net-(C232-Pad1): C232.1 U30.2
Net-(C232-Pad2): C232.2 U41.5
Net-(C233-Pad1): C233.1 R565.2 U39.2
Net-(C233-Pad2): C233.2 U41.11
Net-(C234-Pad1): C234.1 C282.1 C283.1 L22.2 U69.15 U69.16 U69.17
Net-(C236-Pad1): C236.1 U41.2
Net-(C236-Pad2): C236.2 U123.3
Net-(C237-Pad1): C237.1 U42.2
Net-(C237-Pad2): C237.2 U132.3
Net-(C239-Pad1): C239.1 FB30.2 U44.5 U44.8
Net-(C240-Pad1): C240.1 R101.1 R103.1 U44.1
Net-(C241-Pad2): C241.2 C249.1 L23.1 U46.2
Net-(C245-Pad2): C245.2 C250.1 L25.1 U48.2
Net-(C257-Pad1): C257.1 C258.1 FB35.2 U2.45
Net-(C259-Pad1): C259.1 C262.1 FB34.2 U2.44
Net-(C260-Pad1): C260.1 FB37.2 U2.3
Net-(C261-Pad1): C261.1 R130.1 U2.16
Net-(C263-Pad1): C263.1 FB36.2 U2.17
Net-(C264-Pad1): C264.1 C265.1 FB33.2 U2.43
Net-(C266-Pad1): C266.1 FB41.1 U2.7
Net-(C267-Pad1): C267.1 C268.1 FB40.1 U2.48
Net-(C270-Pad1): C270.1 C273.1 FB45.1 U2.23
Net-(C272-Pad1): C272.1 C274.1 FB39.1 U2.50
Net-(C275-Pad1): C275.1 FB42.1 U2.37
Net-(C276-Pad1): C276.1 C279.1 FB44.1 U2.21
Net-(C277-Pad1): C277.1 FB38.1 U2.49
Net-(C281-Pad1): C281.1 FB43.1 U2.22
Net-(C291-Pad1): C291.1 U85.9
Net-(C297-Pad1): C297.1 U77.2
Net-(C303-Pad1): C303.1 C305.1 R171.1
Net-(C306-Pad2): C306.2 L40.2 U77.10 U77.11
Net-(C308-Pad1): C308.1 U79.2
Net-(C313-Pad2): C313.2 R171.2 R172.1
Net-(C316-Pad2): C316.2 L41.2 U79.10 U79.11
Net-(C317-Pad2): C317.2 C319.2 L39.1 R154.2 R156.2 R158.2 R159.2 U85.6 U86.1 U86.2
Net-(C320-Pad1): C320.1 J28.12 R179.2
Net-(C321-Pad1): C321.1 R205.2 R206.2 U24.23 U24.24
Net-(C328-Pad1): C328.1 R572.2 U40.2
Net-(C328-Pad2): C328.2 U42.11
Net-(C331-Pad1): C331.1 R100.1 U66.3
Net-(C347-Pad2): C347.2 C355.1 U2.34
Net-(C348-Pad2): C348.2 C355.2 U2.35
Net-(C349-Pad2): C349.2 C356.1 U2.4
Net-(C350-Pad2): C350.2 C356.2 U2.5
Net-(C351-Pad2): C351.2 C357.1 U2.39
Net-(C352-Pad2): C352.2 C357.2 U2.40
Net-(C353-Pad2): C353.2 C358.1 U2.9
Net-(C354-Pad2): C354.2 C358.2 U2.10
Net-(C363-Pad1): C363.1 C375.1 FB48.2 L31.1 L35.1 R183.1
Net-(C364-Pad1): C364.1 C376.1 FB49.2 L32.1 L36.1 R184.1
Net-(C365-Pad1): C365.1 C377.1 FB50.2 L33.1 L37.1 R185.1
Net-(C366-Pad1): C366.1 C378.1 FB51.2 L34.1 L38.1 R186.1
Net-(C383-Pad2): C383.2 R25.2 U67.1
Net-(C384-Pad2): C384.2 R200.2 U68.1
Net-(C394-Pad1): C394.1 R72.1 R347.1 U89.1
Net-(C395-Pad1): C395.1 R345.1 R348.1 U26.1
Net-(C410-Pad1): C410.1 R373.1 R377.2 U119.1
Net-(C411-Pad2): C411.2 R371.2 R380.2 R382.2
Net-(C412-Pad1): C412.1 FB46.2 U95.5 U95.8
Net-(C413-Pad1): C413.1 R27.1 R46.1 U95.1
Net-(C414-Pad1): C414.1 R43.1 R47.1 U94.1
Net-(C419-Pad1): C419.1 C420.2 C421.2 R210.2 R216.1 U152.9
Net-(C425-Pad1): C425.1 R217.2 R218.2 U163.8
Net-(C450-Pad1): C450.1 L42.2 U119.2
Net-(C451-Pad1): C451.1 FB53.2 U141.5 U141.8
Net-(C452-Pad1): C452.1 U100.4
Net-(C453-Pad2): C453.2 C454.2 R275.2 R276.2 U100.6 U101.7
Net-(C455-Pad1): C455.1 U102.4
Net-(C456-Pad2): C456.2 C457.2 R277.2 R278.2 U102.6 U103.7
Net-(C460-Pad1): C460.1 U93.2
Net-(C461-Pad1): C461.1 R287.2 U93.3
Net-(C464-Pad2): C464.2 R289.2 U93.6
Net-(C465-Pad2): C465.2 U93.7
Net-(C470-Pad1): C470.1 R313.2 X6.2
Net-(C473-Pad1): C473.1 CON1.6 R314.1
Net-(C484-Pad2): C484.2 C485.2 L43.2 U115.43
Net-(C488-Pad1): C488.1 FB54.2 U140.5 U140.8
Net-(C489-Pad1): C489.1 FB55.2 U142.5 U142.8
Net-(C490-Pad1): C490.1 U120.2
Net-(C491-Pad1): C491.1 L44.2 U119.4
Net-(C491-Pad2): C491.2 L45.2 U119.3
Net-(C493-Pad1): C493.1 L57.2 U120.4
Net-(C493-Pad2): C493.2 L58.2 U120.3
Net-(C502-Pad1): C502.1 U121.44
Net-(C502-Pad2): C502.2 U121.43
Net-(C503-Pad1): C503.1 U121.40
Net-(C503-Pad2): C503.2 U121.39
Net-(C504-Pad1): C504.1 U121.38
Net-(C504-Pad2): C504.2 U121.37
Net-(C505-Pad1): C505.1 U121.34
Net-(C505-Pad2): C505.2 U121.33
Net-(C507-Pad1): C507.1 L61.1 U122.3
Net-(C507-Pad2): C507.2 L62.1 U122.4
Net-(C508-Pad2): C508.2 C510.2 L64.2 Ref**#95. Ref**#96. U121.35 U121.36 U121.41 U121.42
Net-(C509-Pad2): C509.2 C513.2 L63.2 Ref**#282. Ref**#283. Ref**#284. Ref**#285. U121.48 U121.55 U121.59 U121.64
Net-(C511-Pad1): C511.1 R393.2 R395.1
Net-(C511-Pad2): C511.2 C514.1 R396.1
Net-(C512-Pad2): C512.2 U122.2
Net-(C514-Pad2): C514.2 IC1.2
Net-(C515-Pad2): C515.2 IC1.3
Net-(C516-Pad1): C516.1 U121.46 X1.1
Net-(C517-Pad1): C517.1 C519.2 U121.45 X1.3
Net-(C524-Pad2): C524.2 IC1.14
Net-(C535-Pad1): C535.1 R241.1 R365.1 U141.1
Net-(C536-Pad2): C536.2 R424.2 R449.2 R452.2
Net-(C537-Pad1): C537.1 R444.1 R448.2 U129.1
Net-(C540-Pad1): C540.1 L65.2 U129.2
Net-(C541-Pad1): C541.1 U130.2
Net-(C542-Pad1): C542.1 L66.2 U129.4
Net-(C542-Pad2): C542.2 L67.2 U129.3
Net-(C544-Pad1): C544.1 L69.2 U130.4
Net-(C544-Pad2): C544.2 L70.2 U130.3
Net-(C553-Pad1): C553.1 R491.2 R492.1
Net-(C553-Pad2): C553.2 C558.1 R496.1
Net-(C554-Pad1): C554.1 U131.44
Net-(C554-Pad2): C554.2 U131.43
Net-(C555-Pad1): C555.1 U131.40
Net-(C555-Pad2): C555.2 U131.39
Net-(C556-Pad1): C556.1 U131.38
Net-(C556-Pad2): C556.2 U131.37
Net-(C557-Pad1): C557.1 U131.34
Net-(C557-Pad2): C557.2 U131.33
Net-(C558-Pad2): C558.2 IC2.2
Net-(C559-Pad2): C559.2 IC2.3
Net-(C561-Pad1): C561.1 L73.1 U135.3
Net-(C561-Pad2): C561.2 L74.1 U135.4
Net-(C562-Pad2): C562.2 C564.2 L76.2 Ref**#466. Ref**#467. U131.35 U131.36 U131.41 U131.42
Net-(C563-Pad2): C563.2 C568.2 L75.2 Ref**#322. Ref**#323. Ref**#327. Ref**#336. U131.48 U131.55 U131.59 U131.64